# Altium PCB PM12_CFD.PcbDoc (part 9 of 12)
Units mm, origin at the board's own origin, x right, y up, seen from the top; angles counter-clockwise.
Board outline 96.25 x 362.25 mm, 6 copper layers (Top Layer, Mid-Layer 1, Mid-Layer 2, Mid-Layer 3, Mid-Layer 4, Bottom Layer); 1413 components, 2881 nets, 4503 pads, 1682 vias.
Unrouted connection lines stored in the file: 4.
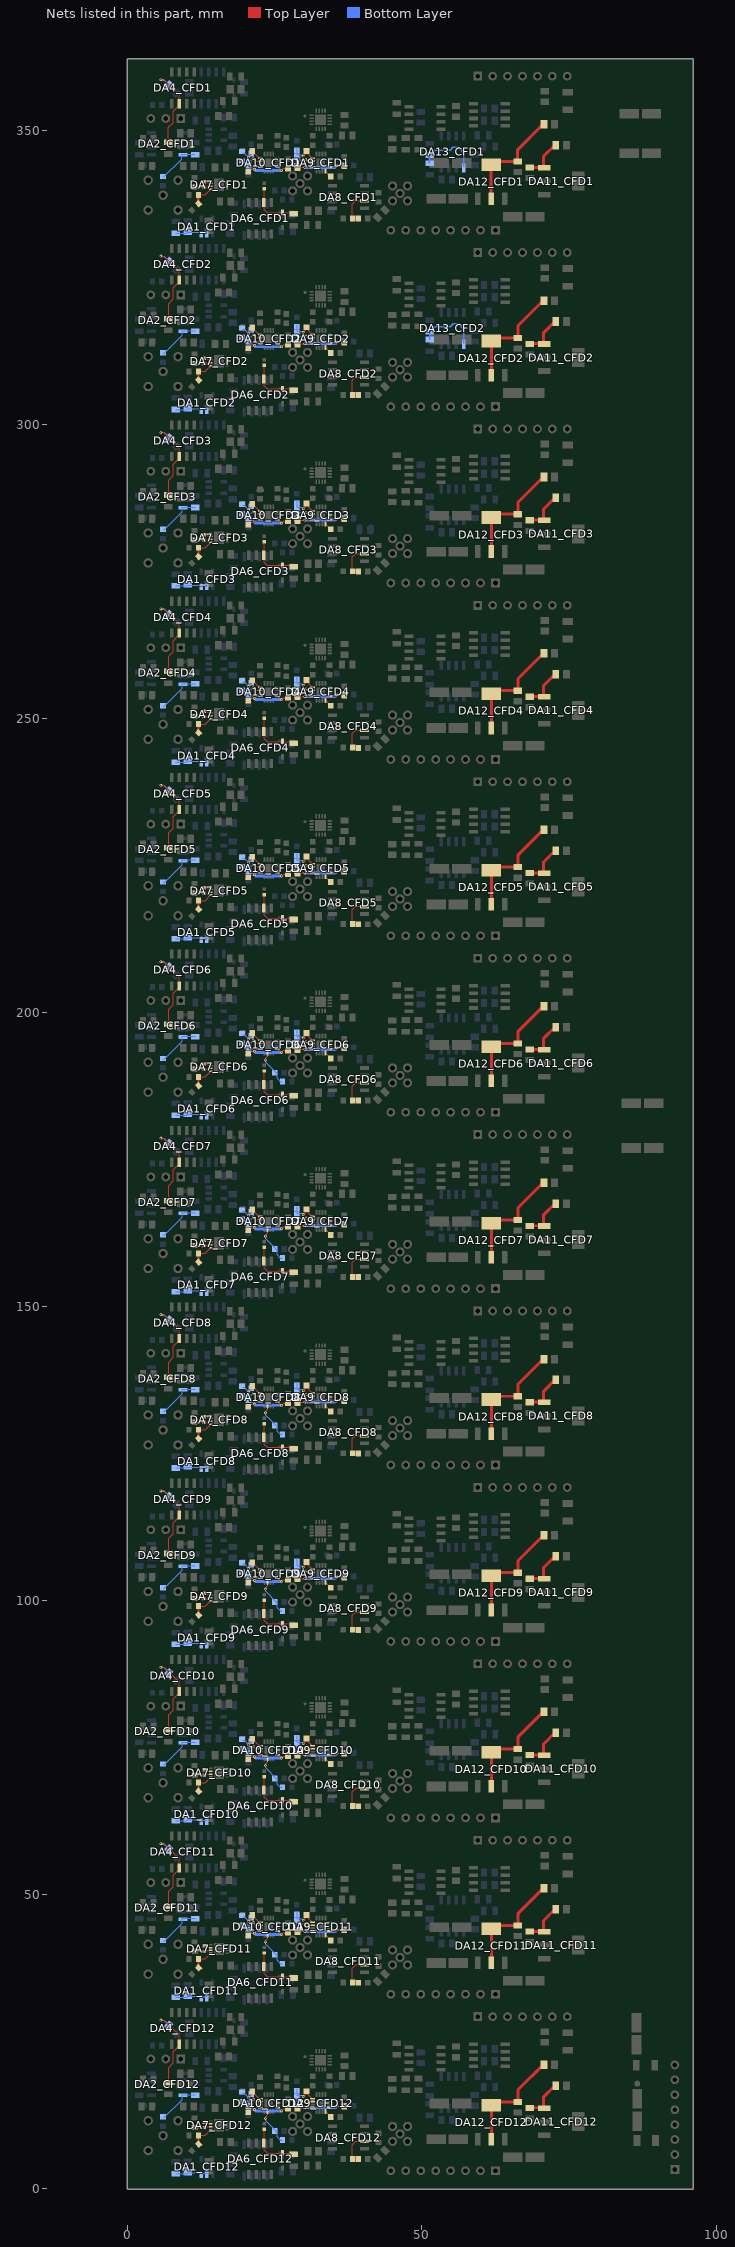
[diagram p13: the nets of this part, all layers, seen from the top]

## Via types
v1: diameter 0.48, hole 0.25, Top Layer to Bottom Layer, 1581 vias
v2: diameter 1, hole 0.6, Top Layer to Bottom Layer, 46 vias
v3: diameter 0.2/0/0/0/0/0.48 (per signal layer), hole 0.25, Top Layer to Bottom Layer, 33 vias
v4: diameter 4, hole 2.2, Top Layer to Bottom Layer, 12 vias
v5: diameter 0.5/0/0/0/0/1 (per signal layer), hole 0.6, Top Layer to Bottom Layer, 10 vias

## Nets (pads, with @x,y where several pads share a name; then routed paths per layer and width w, separated by ;. In a path a pad name is that pad's centre, name@x,y a point inside that pad or via, vN(x,y) a via of type N, cw(c..) or ccw(c..) an arc to the next point about the centre after c; other vN are vias at no path point) (continued)
NetC28_CFD6_2: C28_CFD6.2 DA10_CFD6.2 R24_CFD6.2 | length 6.4
  Top Layer w0.2: v1(23.4,191.9) 23.4,192.164 23.75,192.514 DA10_CFD6.2@23.75,193
  Bottom Layer w0.2: v1(23.4,191.9) 23.4,191.5 25.22,189.68 25.35,189.68 25.35,188.75 25.9,188.2 R24_CFD6.2@26.25,188.2
NetC28_CFD7_2: C28_CFD7.2 DA10_CFD7.2 R24_CFD7.2 | length 6.4
  Top Layer w0.2: v1(23.4,161.9) 23.4,162.164 23.75,162.514 DA10_CFD7.2@23.75,163
  Bottom Layer w0.2: v1(23.4,161.9) 23.4,161.5 25.22,159.68 25.35,159.68 25.35,158.75 25.9,158.2 R24_CFD7.2@26.25,158.2
NetC28_CFD8_2: C28_CFD8.2 DA10_CFD8.2 R24_CFD8.2 | length 6.4
  Top Layer w0.2: v1(23.4,131.9) 23.4,132.164 23.75,132.514 DA10_CFD8.2@23.75,133
  Bottom Layer w0.2: v1(23.4,131.9) 23.4,131.5 25.22,129.68 25.35,129.68 25.35,128.75 25.9,128.2 R24_CFD8.2@26.25,128.2
NetC28_CFD9_2: C28_CFD9.2 DA10_CFD9.2 R24_CFD9.2 | length 6.4
  Top Layer w0.2: v1(23.4,101.9) 23.4,102.164 23.75,102.514 DA10_CFD9.2@23.75,103
  Bottom Layer w0.2: v1(23.4,101.9) 23.4,101.5 25.22,99.68 25.35,99.68 25.35,98.75 25.9,98.2 R24_CFD9.2@26.25,98.2
NetC28_CFD10_2: C28_CFD10.2 DA10_CFD10.2 R24_CFD10.2 | length 6.4
  Top Layer w0.2: v1(23.4,71.9) 23.4,72.164 23.75,72.514 DA10_CFD10.2@23.75,73
  Bottom Layer w0.2: v1(23.4,71.9) 23.4,71.5 25.22,69.68 25.35,69.68 25.35,68.75 25.9,68.2 R24_CFD10.2@26.25,68.2
NetC28_CFD11_2: C28_CFD11.2 DA10_CFD11.2 R24_CFD11.2 | length 6.4
  Top Layer w0.2: v1(23.4,41.9) 23.4,42.164 23.75,42.514 DA10_CFD11.2@23.75,43
  Bottom Layer w0.2: v1(23.4,41.9) 23.4,41.5 25.22,39.68 25.35,39.68 25.35,38.75 25.9,38.2 R24_CFD11.2@26.25,38.2
NetC28_CFD12_2: C28_CFD12.2 DA10_CFD12.2 R24_CFD12.2 | length 6.4
  Top Layer w0.2: v1(23.4,11.9) 23.4,12.164 23.75,12.514 DA10_CFD12.2@23.75,13
  Bottom Layer w0.2: v1(23.4,11.9) 23.4,11.5 25.22,9.68 25.35,9.68 25.35,8.75 25.9,8.2 R24_CFD12.2@26.25,8.2
NetC31_CFD1_2: C31_CFD1.2 C35_CFD1.2 DA10_CFD1.5 DA10_CFD1.16 L5_CFD1.2 | length 10.3
  Top Layer w0.2: C31_CFD1.2@20.4,343.15 20.625,343.375 v1(21.5,343.375) 21.875,343.75 DA10_CFD1.16@22.47,343.75 ; DA10_CFD1.5@25.47,343.75 26.045,343.175 v1(26.1,343.175) 26.425,343.5 C35_CFD1.2@27.2,343.5
  Bottom Layer w0.2: L5_CFD1.2@20.477,343.9 20.975,343.9 v1(21.5,343.375)
  Bottom Layer w0.5: v1(21.5,343.375) 21.7,343.175 v1(26.1,343.175)
NetC31_CFD2_2: C31_CFD2.2 C35_CFD2.2 DA10_CFD2.5 DA10_CFD2.16 L5_CFD2.2 | length 10.3
  Top Layer w0.2: C31_CFD2.2@20.43,313.15 20.655,313.375 v1(21.53,313.375) 21.905,313.75 DA10_CFD2.16@22.5,313.75 ; DA10_CFD2.5@25.5,313.75 26.075,313.175 v1(26.13,313.175) 26.455,313.5 C35_CFD2.2@27.23,313.5
  Bottom Layer w0.2: L5_CFD2.2@20.507,313.9 21.005,313.9 v1(21.53,313.375)
  Bottom Layer w0.5: v1(21.53,313.375) 21.73,313.175 v1(26.13,313.175)
NetC31_CFD3_2: C31_CFD3.2 C35_CFD3.2 DA10_CFD3.5 DA10_CFD3.16 L5_CFD3.2 pad.1@20.507,283.9 | length 10.3
  Top Layer w0.2: C31_CFD3.2@20.43,283.15 20.655,283.375 21.53,283.375 21.905,283.75 DA10_CFD3.16@22.5,283.75 ; DA10_CFD3.5@25.5,283.75 26.075,283.175 v1(26.13,283.175) 26.455,283.5 C35_CFD3.2@27.23,283.5
  Bottom Layer w0.2: pad.1@20.507,283.9 21.005,283.9 21.53,283.375
  Bottom Layer w0.5: 21.53,283.375 21.73,283.175 v1(26.13,283.175)
NetC31_CFD4_2: C31_CFD4.2 C35_CFD4.2 DA10_CFD4.5 DA10_CFD4.16 L5_CFD4.2 | length 10.3
  Top Layer w0.2: C31_CFD4.2@20.43,253.15 20.655,253.375 v1(21.53,253.375) 21.905,253.75 DA10_CFD4.16@22.5,253.75 ; DA10_CFD4.5@25.5,253.75 26.075,253.175 v1(26.13,253.175) 26.455,253.5 C35_CFD4.2@27.23,253.5
  Bottom Layer w0.2: L5_CFD4.2@20.507,253.9 21.005,253.9 v1(21.53,253.375)
  Bottom Layer w0.5: v1(21.53,253.375) 21.73,253.175 v1(26.13,253.175)
NetC31_CFD5_2: C31_CFD5.2 C35_CFD5.2 DA10_CFD5.5 DA10_CFD5.16 L5_CFD5.2 | length 10.3
  Top Layer w0.2: C31_CFD5.2@20.43,223.15 20.655,223.375 v1(21.53,223.375) 21.905,223.75 DA10_CFD5.16@22.5,223.75 ; DA10_CFD5.5@25.5,223.75 26.075,223.175 v1(26.13,223.175) 26.455,223.5 C35_CFD5.2@27.23,223.5
  Bottom Layer w0.2: L5_CFD5.2@20.507,223.9 21.005,223.9 v1(21.53,223.375)
  Bottom Layer w0.5: v1(21.53,223.375) 21.73,223.175 v1(26.13,223.175)
NetC31_CFD6_2: C31_CFD6.2 C35_CFD6.2 DA10_CFD6.5 DA10_CFD6.16 L5_CFD6.2 | length 10.3
  Top Layer w0.2: C31_CFD6.2@20.43,193.15 20.655,193.375 v1(21.53,193.375) 21.905,193.75 DA10_CFD6.16@22.5,193.75 ; DA10_CFD6.5@25.5,193.75 26.075,193.175 v1(26.13,193.175) 26.455,193.5 C35_CFD6.2@27.23,193.5
  Bottom Layer w0.2: L5_CFD6.2@20.507,193.9 21.005,193.9 v1(21.53,193.375)
  Bottom Layer w0.5: v1(21.53,193.375) 21.73,193.175 v1(26.13,193.175)
NetC31_CFD7_2: C31_CFD7.2 C35_CFD7.2 DA10_CFD7.5 DA10_CFD7.16 L5_CFD7.2 | length 10.3
  Top Layer w0.2: C31_CFD7.2@20.43,163.15 20.655,163.375 v1(21.53,163.375) 21.905,163.75 DA10_CFD7.16@22.5,163.75 ; DA10_CFD7.5@25.5,163.75 26.075,163.175 v1(26.13,163.175) 26.455,163.5 C35_CFD7.2@27.23,163.5
  Bottom Layer w0.2: L5_CFD7.2@20.507,163.9 21.005,163.9 v1(21.53,163.375)
  Bottom Layer w0.5: v1(21.53,163.375) 21.73,163.175 v1(26.13,163.175)
NetC31_CFD8_2: C31_CFD8.2 C35_CFD8.2 DA10_CFD8.5 DA10_CFD8.16 L5_CFD8.2 | length 10.3
  Top Layer w0.2: C31_CFD8.2@20.43,133.15 20.655,133.375 v1(21.53,133.375) 21.905,133.75 DA10_CFD8.16@22.5,133.75 ; DA10_CFD8.5@25.5,133.75 26.075,133.175 v1(26.13,133.175) 26.455,133.5 C35_CFD8.2@27.23,133.5
  Bottom Layer w0.2: L5_CFD8.2@20.507,133.9 21.005,133.9 v1(21.53,133.375)
  Bottom Layer w0.5: v1(21.53,133.375) 21.73,133.175 v1(26.13,133.175)
NetC31_CFD9_2: C31_CFD9.2 C35_CFD9.2 DA10_CFD9.5 DA10_CFD9.16 L5_CFD9.2 | length 10.3
  Top Layer w0.2: C31_CFD9.2@20.43,103.15 20.655,103.375 v1(21.53,103.375) 21.905,103.75 DA10_CFD9.16@22.5,103.75 ; DA10_CFD9.5@25.5,103.75 26.075,103.175 v1(26.13,103.175) 26.455,103.5 C35_CFD9.2@27.23,103.5
  Bottom Layer w0.2: L5_CFD9.2@20.507,103.9 21.005,103.9 v1(21.53,103.375)
  Bottom Layer w0.5: v1(21.53,103.375) 21.73,103.175 v1(26.13,103.175)
NetC31_CFD10_2: C31_CFD10.2 C35_CFD10.2 DA10_CFD10.5 DA10_CFD10.16 L5_CFD10.2 | length 10.3
  Top Layer w0.2: C31_CFD10.2@20.43,73.15 20.655,73.375 v1(21.53,73.375) 21.905,73.75 DA10_CFD10.16@22.5,73.75 ; DA10_CFD10.5@25.5,73.75 26.075,73.175 v1(26.13,73.175) 26.455,73.5 C35_CFD10.2@27.23,73.5
  Bottom Layer w0.2: L5_CFD10.2@20.507,73.9 21.005,73.9 v1(21.53,73.375)
  Bottom Layer w0.5: v1(21.53,73.375) 21.73,73.175 v1(26.13,73.175)
NetC31_CFD11_2: C31_CFD11.2 C35_CFD11.2 DA10_CFD11.5 DA10_CFD11.16 L5_CFD11.2 | length 10.3
  Top Layer w0.2: C31_CFD11.2@20.43,43.15 20.655,43.375 v1(21.53,43.375) 21.905,43.75 DA10_CFD11.16@22.5,43.75 ; DA10_CFD11.5@25.5,43.75 26.075,43.175 v1(26.13,43.175) 26.455,43.5 C35_CFD11.2@27.23,43.5
  Bottom Layer w0.2: L5_CFD11.2@20.507,43.9 21.005,43.9 v1(21.53,43.375)
  Bottom Layer w0.5: v1(21.53,43.375) 21.73,43.175 v1(26.13,43.175)
NetC31_CFD12_2: C31_CFD12.2 C35_CFD12.2 DA10_CFD12.5 DA10_CFD12.16 L5_CFD12.2 | length 10.3
  Top Layer w0.2: C31_CFD12.2@20.43,13.15 20.655,13.375 v1(21.53,13.375) 21.905,13.75 DA10_CFD12.16@22.5,13.75 ; DA10_CFD12.5@25.5,13.75 26.075,13.175 v1(26.13,13.175) 26.455,13.5 C35_CFD12.2@27.23,13.5
  Bottom Layer w0.2: L5_CFD12.2@20.507,13.9 21.005,13.9 v1(21.53,13.375)
  Bottom Layer w0.5: v1(21.53,13.375) 21.73,13.175 v1(26.13,13.175)
NetC33_CFD1_2: C33_CFD1.2 C36_CFD1.2 DA9_CFD1.5 DA9_CFD1.16 L7_CFD1.2 | length 12.1
  Top Layer w0.2: C36_CFD1.2@28.77,343.7 v1(30.07,343.7) 30.12,343.75 DA9_CFD1.16@31.32,343.75 ; DA9_CFD1.5@34.32,343.75 35.25,343.75 v1(35.5,344) C33_CFD1.2@36.77,344
  Bottom Layer w0.2: v1(30.07,343.7) v1@30.12,343.75 ; v1(35.5,344) L7_CFD1.2@36.834,344
  Bottom Layer w0.5: v1(30.07,343.7) 35.2,343.7 v1(35.5,344)
NetC33_CFD2_2: C33_CFD2.2 C36_CFD2.2 DA9_CFD2.5 DA9_CFD2.16 L7_CFD2.2 | length 12.1
  Top Layer w0.2: C36_CFD2.2@28.8,313.7 v1(30.1,313.7) 30.15,313.75 DA9_CFD2.16@31.35,313.75 ; DA9_CFD2.5@34.35,313.75 35.28,313.75 v1(35.53,314) C33_CFD2.2@36.8,314
  Bottom Layer w0.2: v1(30.1,313.7) v1@30.15,313.75 ; v1(35.53,314) L7_CFD2.2@36.864,314
  Bottom Layer w0.5: v1(30.1,313.7) 35.23,313.7 v1(35.53,314)
NetC33_CFD3_2: C33_CFD3.2 C36_CFD3.2 DA9_CFD3.5 DA9_CFD3.16 L7_CFD3.2 | length 12.1
  Top Layer w0.2: C36_CFD3.2@28.8,283.7 v1(30.1,283.7) 30.15,283.75 DA9_CFD3.16@31.35,283.75 ; DA9_CFD3.5@34.35,283.75 35.28,283.75 v1(35.53,284) C33_CFD3.2@36.8,284
  Bottom Layer w0.2: v1(30.1,283.7) v1@30.15,283.75 ; v1(35.53,284) L7_CFD3.2@36.864,284
  Bottom Layer w0.5: v1(30.1,283.7) 35.23,283.7 v1(35.53,284)
NetC33_CFD4_2: C33_CFD4.2 C36_CFD4.2 DA9_CFD4.5 DA9_CFD4.16 L7_CFD4.2 | length 12.1
  Top Layer w0.2: C36_CFD4.2@28.8,253.7 v1(30.1,253.7) 30.15,253.75 DA9_CFD4.16@31.35,253.75 ; DA9_CFD4.5@34.35,253.75 35.28,253.75 v1(35.53,254) C33_CFD4.2@36.8,254
  Bottom Layer w0.2: v1(30.1,253.7) v1@30.15,253.75 ; v1(35.53,254) L7_CFD4.2@36.864,254
  Bottom Layer w0.5: v1(30.1,253.7) 35.23,253.7 v1(35.53,254)
NetC33_CFD5_2: C33_CFD5.2 C36_CFD5.2 DA9_CFD5.5 DA9_CFD5.16 L7_CFD5.2 | length 12.1
  Top Layer w0.2: C36_CFD5.2@28.8,223.7 v1(30.1,223.7) 30.15,223.75 DA9_CFD5.16@31.35,223.75 ; DA9_CFD5.5@34.35,223.75 35.28,223.75 v1(35.53,224) C33_CFD5.2@36.8,224
  Bottom Layer w0.2: v1(30.1,223.7) v1@30.15,223.75 ; v1(35.53,224) L7_CFD5.2@36.864,224
  Bottom Layer w0.5: v1(30.1,223.7) 35.23,223.7 v1(35.53,224)
NetC33_CFD6_2: C33_CFD6.2 C36_CFD6.2 DA9_CFD6.5 DA9_CFD6.16 L7_CFD6.2 | length 12.1
  Top Layer w0.2: C36_CFD6.2@28.8,193.7 v1(30.1,193.7) 30.15,193.75 DA9_CFD6.16@31.35,193.75 ; DA9_CFD6.5@34.35,193.75 35.28,193.75 v1(35.53,194) C33_CFD6.2@36.8,194
  Bottom Layer w0.2: v1(30.1,193.7) v1@30.15,193.75 ; v1(35.53,194) L7_CFD6.2@36.864,194
  Bottom Layer w0.5: v1(30.1,193.7) 35.23,193.7 v1(35.53,194)
NetC33_CFD7_2: C33_CFD7.2 C36_CFD7.2 DA9_CFD7.5 DA9_CFD7.16 L7_CFD7.2 | length 12.1
  Top Layer w0.2: C36_CFD7.2@28.8,163.7 v1(30.1,163.7) 30.15,163.75 DA9_CFD7.16@31.35,163.75 ; DA9_CFD7.5@34.35,163.75 35.28,163.75 v1(35.53,164) C33_CFD7.2@36.8,164
  Bottom Layer w0.2: v1(30.1,163.7) v1@30.15,163.75 ; v1(35.53,164) L7_CFD7.2@36.864,164
  Bottom Layer w0.5: v1(30.1,163.7) 35.23,163.7 v1(35.53,164)
NetC33_CFD8_2: C33_CFD8.2 C36_CFD8.2 DA9_CFD8.5 DA9_CFD8.16 L7_CFD8.2 | length 12.1
  Top Layer w0.2: C36_CFD8.2@28.8,133.7 v1(30.1,133.7) 30.15,133.75 DA9_CFD8.16@31.35,133.75 ; DA9_CFD8.5@34.35,133.75 35.28,133.75 v1(35.53,134) C33_CFD8.2@36.8,134
  Bottom Layer w0.2: v1(30.1,133.7) v1@30.15,133.75 ; v1(35.53,134) L7_CFD8.2@36.864,134
  Bottom Layer w0.5: v1(30.1,133.7) 35.23,133.7 v1(35.53,134)
NetC33_CFD9_2: C33_CFD9.2 C36_CFD9.2 DA9_CFD9.5 DA9_CFD9.16 L7_CFD9.2 | length 12.1
  Top Layer w0.2: C36_CFD9.2@28.8,103.7 v1(30.1,103.7) 30.15,103.75 DA9_CFD9.16@31.35,103.75 ; DA9_CFD9.5@34.35,103.75 35.28,103.75 v1(35.53,104) C33_CFD9.2@36.8,104
  Bottom Layer w0.2: v1(30.1,103.7) v1@30.15,103.75 ; v1(35.53,104) L7_CFD9.2@36.864,104
  Bottom Layer w0.5: v1(30.1,103.7) 35.23,103.7 v1(35.53,104)
NetC33_CFD10_2: C33_CFD10.2 C36_CFD10.2 DA9_CFD10.5 DA9_CFD10.16 L7_CFD10.2 | length 12.1
  Top Layer w0.2: C36_CFD10.2@28.8,73.7 v1(30.1,73.7) 30.15,73.75 DA9_CFD10.16@31.35,73.75 ; DA9_CFD10.5@34.35,73.75 35.28,73.75 v1(35.53,74) C33_CFD10.2@36.8,74
  Bottom Layer w0.2: v1(30.1,73.7) v1@30.15,73.75 ; v1(35.53,74) L7_CFD10.2@36.864,74
  Bottom Layer w0.5: v1(30.1,73.7) 35.23,73.7 v1(35.53,74)
NetC33_CFD11_2: C33_CFD11.2 C36_CFD11.2 DA9_CFD11.5 DA9_CFD11.16 L7_CFD11.2 | length 12.1
  Top Layer w0.2: C36_CFD11.2@28.8,43.7 v1(30.1,43.7) 30.15,43.75 DA9_CFD11.16@31.35,43.75 ; DA9_CFD11.5@34.35,43.75 35.28,43.75 v1(35.53,44) C33_CFD11.2@36.8,44
  Bottom Layer w0.2: v1(30.1,43.7) v1@30.15,43.75 ; v1(35.53,44) L7_CFD11.2@36.864,44
  Bottom Layer w0.5: v1(30.1,43.7) 35.23,43.7 v1(35.53,44)
NetC33_CFD12_2: C33_CFD12.2 C36_CFD12.2 DA9_CFD12.5 DA9_CFD12.16 L7_CFD12.2 | length 12.1
  Top Layer w0.2: C36_CFD12.2@28.8,13.7 v1(30.1,13.7) 30.15,13.75 DA9_CFD12.16@31.35,13.75 ; DA9_CFD12.5@34.35,13.75 35.28,13.75 v1(35.53,14) C33_CFD12.2@36.8,14
  Bottom Layer w0.2: v1(30.1,13.7) v1@30.15,13.75 ; v1(35.53,14) L7_CFD12.2@36.864,14
  Bottom Layer w0.5: v1(30.1,13.7) 35.23,13.7 v1(35.53,14)
NetC39_CFD1_2: C39_CFD1.2 DA10_CFD1.13 L6_CFD1.2 R23_CFD1.1 | length 5.3
  Top Layer w0.2: v1(20.5,345.4) 20.5,345.68 21.187,346.367 22.305,345.25 DA10_CFD1.13@22.47,345.25
  Bottom Layer w0.2: R23_CFD1.1@19.5,346.191 19.709,346.191 v1(20.5,345.4) 21,345.9 L6_CFD1.2@21,346.18
NetC39_CFD2_2: C39_CFD2.2 DA10_CFD2.13 L6_CFD2.2 R23_CFD2.1 | length 5.3
  Top Layer w0.2: v1(20.53,315.4) 20.53,315.68 21.217,316.367 22.335,315.25 DA10_CFD2.13@22.5,315.25
  Bottom Layer w0.2: R23_CFD2.1@19.53,316.191 19.739,316.191 v1(20.53,315.4) 21.03,315.9 L6_CFD2.2@21.03,316.18
NetC39_CFD3_2: C39_CFD3.2 DA10_CFD3.13 L6_CFD3.2 R23_CFD3.1 | length 5.3
  Top Layer w0.2: v1(20.53,285.4) 20.53,285.68 21.217,286.367 22.335,285.25 DA10_CFD3.13@22.5,285.25
  Bottom Layer w0.2: R23_CFD3.1@19.53,286.191 19.739,286.191 v1(20.53,285.4) 21.03,285.9 L6_CFD3.2@21.03,286.18
NetC39_CFD4_2: C39_CFD4.2 DA10_CFD4.13 L6_CFD4.2 R23_CFD4.1 | length 5.3
  Top Layer w0.2: v1(20.53,255.4) 20.53,255.68 21.217,256.367 22.335,255.25 DA10_CFD4.13@22.5,255.25
  Bottom Layer w0.2: R23_CFD4.1@19.53,256.191 19.739,256.191 v1(20.53,255.4) 21.03,255.9 L6_CFD4.2@21.03,256.18
NetC39_CFD5_2: C39_CFD5.2 DA10_CFD5.13 L6_CFD5.2 R23_CFD5.1 | length 5.3
  Top Layer w0.2: v1(20.53,225.4) 20.53,225.68 21.217,226.367 22.335,225.25 DA10_CFD5.13@22.5,225.25
  Bottom Layer w0.2: R23_CFD5.1@19.53,226.191 19.739,226.191 v1(20.53,225.4) 21.03,225.9 L6_CFD5.2@21.03,226.18
NetC39_CFD6_2: C39_CFD6.2 DA10_CFD6.13 L6_CFD6.2 R23_CFD6.1 | length 5.3
  Top Layer w0.2: v1(20.53,195.4) 20.53,195.68 21.217,196.367 22.335,195.25 DA10_CFD6.13@22.5,195.25
  Bottom Layer w0.2: R23_CFD6.1@19.53,196.191 19.739,196.191 v1(20.53,195.4) 21.03,195.9 L6_CFD6.2@21.03,196.18
NetC39_CFD7_2: C39_CFD7.2 DA10_CFD7.13 L6_CFD7.2 R23_CFD7.1 | length 5.3
  Top Layer w0.2: v1(20.53,165.4) 20.53,165.68 21.217,166.367 22.335,165.25 DA10_CFD7.13@22.5,165.25
  Bottom Layer w0.2: R23_CFD7.1@19.53,166.191 19.739,166.191 v1(20.53,165.4) 21.03,165.9 L6_CFD7.2@21.03,166.18
NetC39_CFD8_2: C39_CFD8.2 DA10_CFD8.13 L6_CFD8.2 R23_CFD8.1 | length 5.3
  Top Layer w0.2: v1(20.53,135.4) 20.53,135.68 21.217,136.367 22.335,135.25 DA10_CFD8.13@22.5,135.25
  Bottom Layer w0.2: R23_CFD8.1@19.53,136.191 19.739,136.191 v1(20.53,135.4) 21.03,135.9 L6_CFD8.2@21.03,136.18
NetC39_CFD9_2: C39_CFD9.2 DA10_CFD9.13 L6_CFD9.2 R23_CFD9.1 | length 5.3
  Top Layer w0.2: v1(20.53,105.4) 20.53,105.68 21.217,106.367 22.335,105.25 DA10_CFD9.13@22.5,105.25
  Bottom Layer w0.2: R23_CFD9.1@19.53,106.191 19.739,106.191 v1(20.53,105.4) 21.03,105.9 L6_CFD9.2@21.03,106.18
NetC39_CFD10_2: C39_CFD10.2 DA10_CFD10.13 L6_CFD10.2 R23_CFD10.1 | length 5.3
  Top Layer w0.2: v1(20.53,75.4) 20.53,75.68 21.217,76.367 22.335,75.25 DA10_CFD10.13@22.5,75.25
  Bottom Layer w0.2: R23_CFD10.1@19.53,76.191 19.739,76.191 v1(20.53,75.4) 21.03,75.9 L6_CFD10.2@21.03,76.18
NetC39_CFD11_2: C39_CFD11.2 DA10_CFD11.13 L6_CFD11.2 R23_CFD11.1 | length 5.3
  Top Layer w0.2: v1(20.53,45.4) 20.53,45.68 21.217,46.367 22.335,45.25 DA10_CFD11.13@22.5,45.25
  Bottom Layer w0.2: R23_CFD11.1@19.53,46.191 19.739,46.191 v1(20.53,45.4) 21.03,45.9 L6_CFD11.2@21.03,46.18
NetC39_CFD12_2: C39_CFD12.2 DA10_CFD12.13 L6_CFD12.2 R23_CFD12.1 | length 5.3
  Top Layer w0.2: v1(20.53,15.4) 20.53,15.68 21.217,16.367 22.335,15.25 DA10_CFD12.13@22.5,15.25
  Bottom Layer w0.2: R23_CFD12.1@19.53,16.191 19.739,16.191 v1(20.53,15.4) 21.03,15.9 L6_CFD12.2@21.03,16.18
NetC40_CFD1_2: C40_CFD1.2 DA9_CFD1.13 L3_CFD1.2 R22_CFD1.1 | length 4.7
  Top Layer w0.2: v1(29.77,345.6) C40_CFD1.2@30.37,346.2 ; C40_CFD1.2@30.37,346.5 C40_CFD1.2@30.37,346.2 ; DA9_CFD1.13@31.32,345.25 C40_CFD1.2@30.37,346.2
  Bottom Layer w0.2: L3_CFD1.2@28.77,346.95 28.77,345.85 29.52,345.85 v1(29.77,345.6)
NetC40_CFD2_2: C40_CFD2.2 DA9_CFD2.13 L3_CFD2.2 R22_CFD2.1 | length 4.7
  Top Layer w0.2: v1(29.8,315.6) C40_CFD2.2@30.4,316.2 ; C40_CFD2.2@30.4,316.5 C40_CFD2.2@30.4,316.2 ; DA9_CFD2.13@31.35,315.25 C40_CFD2.2@30.4,316.2
  Bottom Layer w0.2: L3_CFD2.2@28.8,316.95 28.8,315.85 29.55,315.85 v1(29.8,315.6)
NetC40_CFD3_2: C40_CFD3.2 DA9_CFD3.13 L3_CFD3.2 R22_CFD3.1 | length 4.7
  Top Layer w0.2: v1(29.8,285.6) C40_CFD3.2@30.4,286.2 ; C40_CFD3.2@30.4,286.5 C40_CFD3.2@30.4,286.2 ; DA9_CFD3.13@31.35,285.25 C40_CFD3.2@30.4,286.2
  Bottom Layer w0.2: L3_CFD3.2@28.8,286.95 28.8,285.85 29.55,285.85 v1(29.8,285.6)
NetC40_CFD4_2: C40_CFD4.2 DA9_CFD4.13 L3_CFD4.2 R22_CFD4.1 | length 4.7
  Top Layer w0.2: v1(29.8,255.6) C40_CFD4.2@30.4,256.2 ; C40_CFD4.2@30.4,256.5 C40_CFD4.2@30.4,256.2 ; DA9_CFD4.13@31.35,255.25 C40_CFD4.2@30.4,256.2
  Bottom Layer w0.2: L3_CFD4.2@28.8,256.95 28.8,255.85 29.55,255.85 v1(29.8,255.6)
NetC40_CFD5_2: C40_CFD5.2 DA9_CFD5.13 L3_CFD5.2 R22_CFD5.1 | length 4.7
  Top Layer w0.2: v1(29.8,225.6) C40_CFD5.2@30.4,226.2 ; C40_CFD5.2@30.4,226.5 C40_CFD5.2@30.4,226.2 ; DA9_CFD5.13@31.35,225.25 C40_CFD5.2@30.4,226.2
  Bottom Layer w0.2: L3_CFD5.2@28.8,226.95 28.8,225.85 29.55,225.85 v1(29.8,225.6)
NetC40_CFD6_2: C40_CFD6.2 DA9_CFD6.13 L3_CFD6.2 R22_CFD6.1 | length 4.7
  Top Layer w0.2: v1(29.8,195.6) C40_CFD6.2@30.4,196.2 ; C40_CFD6.2@30.4,196.5 C40_CFD6.2@30.4,196.2 ; DA9_CFD6.13@31.35,195.25 C40_CFD6.2@30.4,196.2
  Bottom Layer w0.2: L3_CFD6.2@28.8,196.95 28.8,195.85 29.55,195.85 v1(29.8,195.6)
NetC40_CFD7_2: C40_CFD7.2 DA9_CFD7.13 L3_CFD7.2 R22_CFD7.1 | length 4.7
  Top Layer w0.2: v1(29.8,165.6) C40_CFD7.2@30.4,166.2 ; C40_CFD7.2@30.4,166.5 C40_CFD7.2@30.4,166.2 ; DA9_CFD7.13@31.35,165.25 C40_CFD7.2@30.4,166.2
  Bottom Layer w0.2: L3_CFD7.2@28.8,166.95 28.8,165.85 29.55,165.85 v1(29.8,165.6)
NetC40_CFD8_2: C40_CFD8.2 DA9_CFD8.13 L3_CFD8.2 R22_CFD8.1 | length 4.7
  Top Layer w0.2: v1(29.8,135.6) C40_CFD8.2@30.4,136.2 ; C40_CFD8.2@30.4,136.5 C40_CFD8.2@30.4,136.2 ; DA9_CFD8.13@31.35,135.25 C40_CFD8.2@30.4,136.2
  Bottom Layer w0.2: L3_CFD8.2@28.8,136.95 28.8,135.85 29.55,135.85 v1(29.8,135.6)
NetC40_CFD9_2: C40_CFD9.2 DA9_CFD9.13 L3_CFD9.2 R22_CFD9.1 | length 4.7
  Top Layer w0.2: v1(29.8,105.6) C40_CFD9.2@30.4,106.2 ; C40_CFD9.2@30.4,106.5 C40_CFD9.2@30.4,106.2 ; DA9_CFD9.13@31.35,105.25 C40_CFD9.2@30.4,106.2
  Bottom Layer w0.2: L3_CFD9.2@28.8,106.95 28.8,105.85 29.55,105.85 v1(29.8,105.6)
NetC40_CFD10_2: C40_CFD10.2 DA9_CFD10.13 L3_CFD10.2 R22_CFD10.1 | length 4.7
  Top Layer w0.2: v1(29.8,75.6) C40_CFD10.2@30.4,76.2 ; C40_CFD10.2@30.4,76.5 C40_CFD10.2@30.4,76.2 ; DA9_CFD10.13@31.35,75.25 C40_CFD10.2@30.4,76.2
  Bottom Layer w0.2: L3_CFD10.2@28.8,76.95 28.8,75.85 29.55,75.85 v1(29.8,75.6)
NetC40_CFD11_2: C40_CFD11.2 DA9_CFD11.13 L3_CFD11.2 R22_CFD11.1 | length 4.7
  Top Layer w0.2: v1(29.8,45.6) C40_CFD11.2@30.4,46.2 ; C40_CFD11.2@30.4,46.5 C40_CFD11.2@30.4,46.2 ; DA9_CFD11.13@31.35,45.25 C40_CFD11.2@30.4,46.2
  Bottom Layer w0.2: L3_CFD11.2@28.8,46.95 28.8,45.85 29.55,45.85 v1(29.8,45.6)
NetC40_CFD12_2: C40_CFD12.2 DA9_CFD12.13 L3_CFD12.2 R22_CFD12.1 | length 4.7
  Top Layer w0.2: v1(29.8,15.6) C40_CFD12.2@30.4,16.2 ; C40_CFD12.2@30.4,16.5 C40_CFD12.2@30.4,16.2 ; DA9_CFD12.13@31.35,15.25 C40_CFD12.2@30.4,16.2
  Bottom Layer w0.2: L3_CFD12.2@28.8,16.95 28.8,15.85 29.55,15.85 v1(29.8,15.6)
NetC41_CFD1_2: C41_CFD1.2 DA1_CFD1.2 DA1_CFD1.3 R1_CFD1.2 | length 5.5
  Bottom Layer w0.2: R1_CFD1.2@8.1,332.5 10,332.5 C41_CFD1.2@10.161,332.661 ; C41_CFD1.2@10.2,332.7 C41_CFD1.2@10.161,332.661 ; DA1_CFD1.2@13.42,332.6 12.47,332.6 12.47,332.661 C41_CFD1.2@10.161,332.661
NetC41_CFD2_2: C41_CFD2.2 DA1_CFD2.2 DA1_CFD2.3 R1_CFD2.2 | length 5.5
  Bottom Layer w0.2: R1_CFD2.2@8.13,302.5 10.03,302.5 C41_CFD2.2@10.191,302.661 ; C41_CFD2.2@10.23,302.7 C41_CFD2.2@10.191,302.661 ; DA1_CFD2.2@13.45,302.6 12.5,302.6 12.5,302.661 C41_CFD2.2@10.191,302.661
NetC41_CFD3_2: C41_CFD3.2 DA1_CFD3.2 DA1_CFD3.3 R1_CFD3.2 | length 5.5
  Bottom Layer w0.2: R1_CFD3.2@8.13,272.5 10.03,272.5 C41_CFD3.2@10.191,272.661 ; C41_CFD3.2@10.23,272.7 C41_CFD3.2@10.191,272.661 ; DA1_CFD3.2@13.45,272.6 12.5,272.6 12.5,272.661 C41_CFD3.2@10.191,272.661
NetC41_CFD4_2: C41_CFD4.2 DA1_CFD4.2 DA1_CFD4.3 R1_CFD4.2 | length 5.5
  Bottom Layer w0.2: R1_CFD4.2@8.13,242.5 10.03,242.5 C41_CFD4.2@10.191,242.661 ; C41_CFD4.2@10.23,242.7 C41_CFD4.2@10.191,242.661 ; DA1_CFD4.2@13.45,242.6 12.5,242.6 12.5,242.661 C41_CFD4.2@10.191,242.661
NetC41_CFD5_2: C41_CFD5.2 DA1_CFD5.2 DA1_CFD5.3 R1_CFD5.2 | length 5.5
  Bottom Layer w0.2: R1_CFD5.2@8.13,212.5 10.03,212.5 C41_CFD5.2@10.191,212.661 ; C41_CFD5.2@10.23,212.7 C41_CFD5.2@10.191,212.661 ; DA1_CFD5.2@13.45,212.6 12.5,212.6 12.5,212.661 C41_CFD5.2@10.191,212.661
NetC41_CFD6_2: C41_CFD6.2 DA1_CFD6.2 DA1_CFD6.3 R1_CFD6.2 | length 5.5
  Bottom Layer w0.2: R1_CFD6.2@8.13,182.5 10.03,182.5 C41_CFD6.2@10.191,182.661 ; C41_CFD6.2@10.23,182.7 C41_CFD6.2@10.191,182.661 ; DA1_CFD6.2@13.45,182.6 12.5,182.6 12.5,182.661 C41_CFD6.2@10.191,182.661
NetC41_CFD7_2: C41_CFD7.2 DA1_CFD7.2 DA1_CFD7.3 R1_CFD7.2 | length 5.5
  Bottom Layer w0.2: R1_CFD7.2@8.13,152.5 10.03,152.5 C41_CFD7.2@10.191,152.661 ; C41_CFD7.2@10.23,152.7 C41_CFD7.2@10.191,152.661 ; DA1_CFD7.2@13.45,152.6 12.5,152.6 12.5,152.661 C41_CFD7.2@10.191,152.661
NetC41_CFD8_2: C41_CFD8.2 DA1_CFD8.2 DA1_CFD8.3 R1_CFD8.2 | length 5.5
  Bottom Layer w0.2: R1_CFD8.2@8.13,122.5 10.03,122.5 C41_CFD8.2@10.191,122.661 ; C41_CFD8.2@10.23,122.7 C41_CFD8.2@10.191,122.661 ; DA1_CFD8.2@13.45,122.6 12.5,122.6 12.5,122.661 C41_CFD8.2@10.191,122.661
NetC41_CFD9_2: C41_CFD9.2 DA1_CFD9.2 DA1_CFD9.3 R1_CFD9.2 | length 5.5
  Bottom Layer w0.2: R1_CFD9.2@8.13,92.5 10.03,92.5 C41_CFD9.2@10.191,92.661 ; C41_CFD9.2@10.23,92.7 C41_CFD9.2@10.191,92.661 ; DA1_CFD9.2@13.45,92.6 12.5,92.6 12.5,92.661 C41_CFD9.2@10.191,92.661
NetC41_CFD10_2: C41_CFD10.2 DA1_CFD10.2 DA1_CFD10.3 R1_CFD10.2 | length 5.5
  Bottom Layer w0.2: R1_CFD10.2@8.13,62.5 10.03,62.5 C41_CFD10.2@10.191,62.661 ; C41_CFD10.2@10.23,62.7 C41_CFD10.2@10.191,62.661 ; DA1_CFD10.2@13.45,62.6 12.5,62.6 12.5,62.661 C41_CFD10.2@10.191,62.661
NetC41_CFD11_2: C41_CFD11.2 DA1_CFD11.2 DA1_CFD11.3 R1_CFD11.2 | length 5.5
  Bottom Layer w0.2: R1_CFD11.2@8.13,32.5 10.03,32.5 C41_CFD11.2@10.191,32.661 ; C41_CFD11.2@10.23,32.7 C41_CFD11.2@10.191,32.661 ; DA1_CFD11.2@13.45,32.6 12.5,32.6 12.5,32.661 C41_CFD11.2@10.191,32.661
NetC41_CFD12_2: C41_CFD12.2 DA1_CFD12.2 DA1_CFD12.3 R1_CFD12.2 | length 5.5